# Altium PCB EASY-EAI-Nano-TB V1.01.PCBDOC (part 2 of 7) (continued)
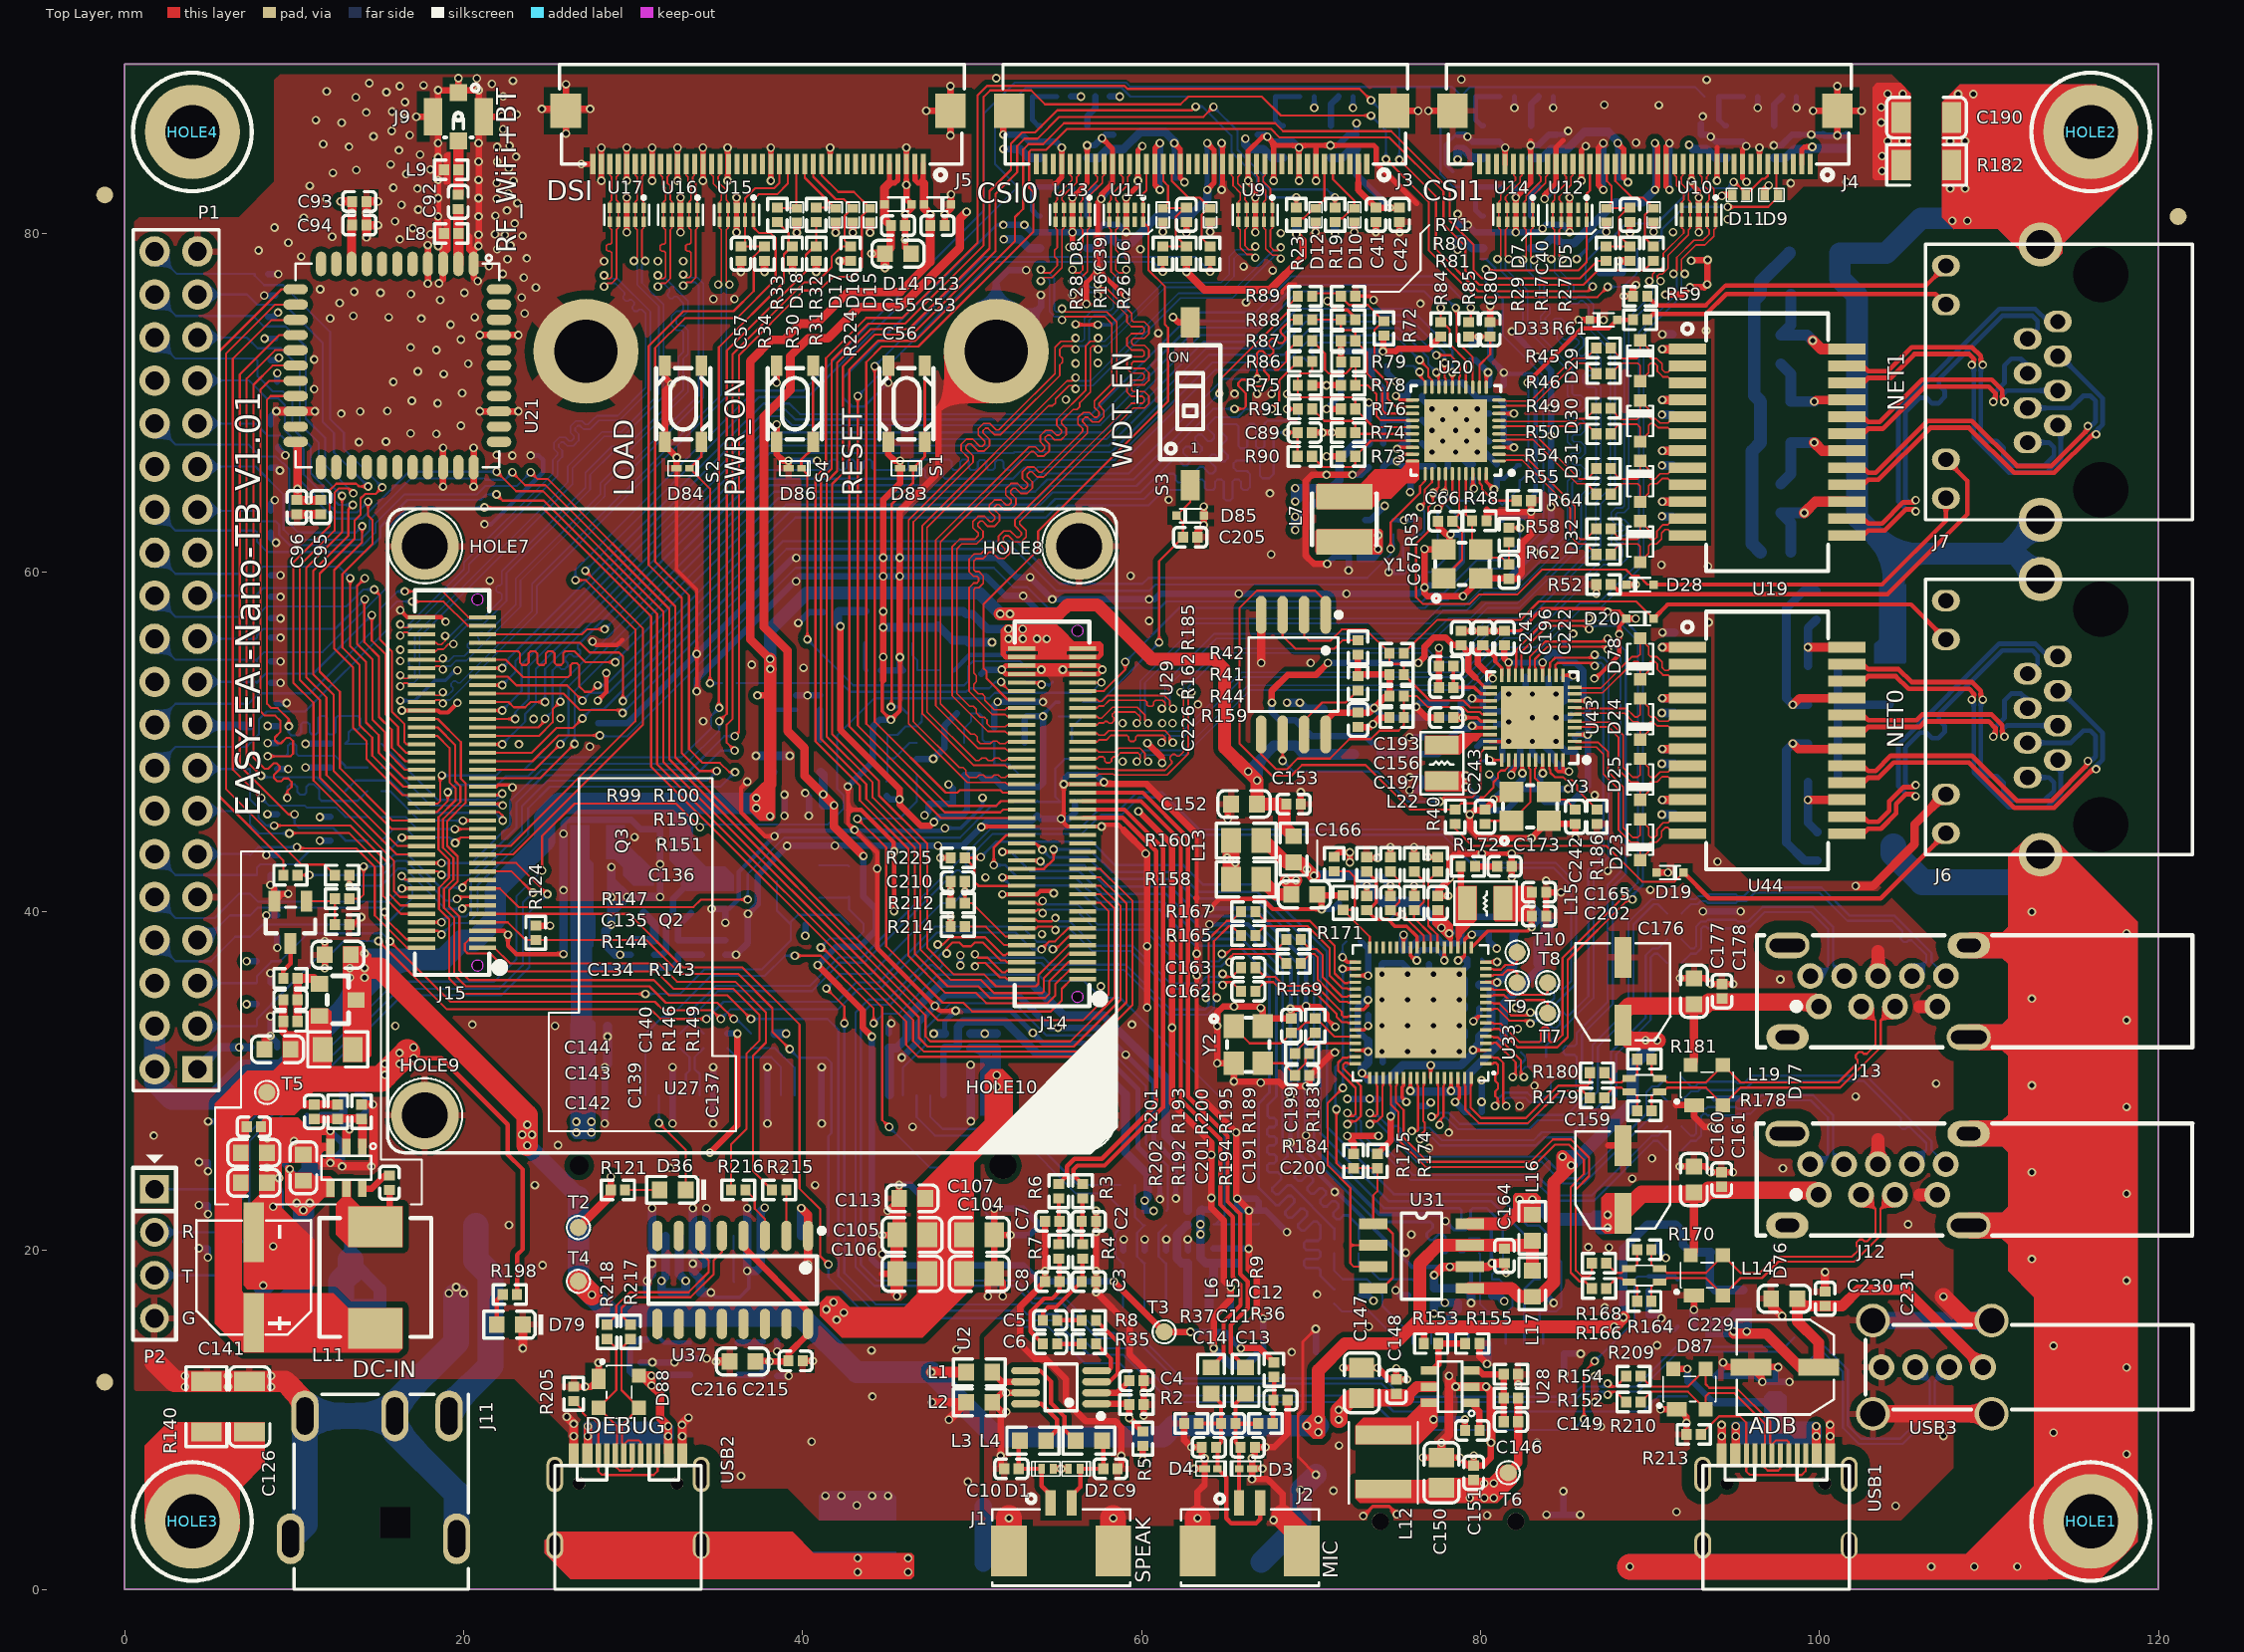
[diagram p0: Top Layer view]
## Footprints (in the part's own frame and the unit in brackets; to place one, negate y for a bottom-side part, rotate by r counter-clockwise, add the part's x,y. Pads: shape width x height; smd on the part's side, far side on the other; paste and mask are expansions set on the pad) (continued)
  round 60 hole 36: 1(0,-118.1) 2(0,-39.36) 3(0,39.38) 4(0,118.12)
  round 78.74 hole 59.06: 5(-108.27,137.79) 5(-108.27,-137.8) 5(108.27,137.79) 5(108.27,-137.8)
  silkscreen extent -98,-604 98,155
"Mou Hole-373D600H-SMD" [mm] "Diameter 3.6mm SMD nut,height 6mm"
  round 6.2 hole 3.73: 1(0,0)
  silkscreen extent -3.3,-3.3 3.3,3.3, body extent -2.79,-2.67 2.77,2.89, height 6
MSOP-8 [mm]
  oval 0.43x1.7 smd mask+0.051: 1(-0.975,-2.1) 2(-0.325,-2.1) 3(0.325,-2.1) 4(0.975,-2.1) 5(0.975,2.1) 6(0.325,2.1) 7(-0.325,2.1) 8(-0.975,2.1)
  silkscreen extent -1.85,-2.5 1.38,0.95
PAD-25/40 [mil]
  round 40 smd paste-43.31: 1(0,0)
  silkscreen extent -27,-27 27,27
QFN40P500X500X90_HS-41N [mm] "QFN, 40-Leads, Body 5.00x5.00mm, Pitch 0.40mm, Thermal Pad 3.70x3.70mm, IPC Medium Density"
  oval 0.8x0.2 smd mask+0.051: 1(-2.55,1.8) 2(-2.55,1.4) 3(-2.55,1) 4(-2.55,0.6) 5(-2.55,0.2) 6(-2.55,-0.2) 7(-2.55,-0.6) 8(-2.55,-1) 9(-2.55,-1.4) 10(-2.55,-1.8) 21(2.55,-1.8) 22(2.55,-1.4) 23(2.55,-1) 24(2.55,-0.6) 25(2.55,-0.2) 26(2.55,0.2) 27(2.55,0.6) 28(2.55,1) 29(2.55,1.4) 30(2.55,1.8)
  oval 0.2x0.8 smd mask+0.051: 11(-1.8,-2.55) 12(-1.4,-2.55) 13(-1,-2.55) 14(-0.6,-2.55) 15(-0.2,-2.55) 16(0.2,-2.55) 17(0.6,-2.55) 18(1,-2.55) 19(1.4,-2.55) 20(1.8,-2.55) 31(1.8,2.55) 32(1.4,2.55) 33(1,2.55) 34(0.6,2.55) 35(0.2,2.55) 36(-0.2,2.55) 37(-0.6,2.55) 38(-1,2.55) 39(-1.4,2.55) 40(-1.8,2.55)
  rect 3.7x3.7 smd: 41(0,0)
  silkscreen extent -3.42,-2.65 2.65,2.65, body extent -2.5,-2.5 2.5,2.5, height 0.9
QFN-40_L5.0-W5.0-P0.40-BL-EP3.7 [mm]
  rect 0.2x0.8 smd paste-100 mask+0.05: 1(-1.8,-2.499) 2(-1.4,-2.499) 3(-1,-2.499) 4(-0.6,-2.499) 5(-0.2,-2.499) 6(0.2,-2.499) 7(0.6,-2.499) 8(1,-2.499) 9(1.4,-2.499) 10(1.8,-2.499) 21(1.8,2.499) 22(1.4,2.499) 23(1,2.499) 24(0.6,2.499) 25(0.2,2.499) 26(-0.2,2.499) 27(-0.6,2.499) 28(-1,2.499) 29(-1.4,2.499) 30(-1.8,2.499)
  rect 0.8x0.2 smd paste-100 mask+0.05: 11(2.499,-1.8) 12(2.499,-1.4) 13(2.499,-1) 14(2.499,-0.6) 15(2.499,-0.2) 16(2.499,0.2) 17(2.499,0.6) 18(2.499,1) 19(2.499,1.4) 20(2.499,1.8) 31(-2.499,1.8) 32(-2.499,1.4) 33(-2.499,1) 34(-2.499,0.6) 35(-2.499,0.2) 36(-2.499,-0.2) 37(-2.499,-0.6) 38(-2.499,-1) 39(-2.499,-1.4) 40(-2.499,-1.8)
  rect 3.7x3.7 smd paste-100 mask+0.05: 41(0,0)
  silkscreen extent -2.7,-3.35 2.7,2.7
QFN-64_L8.0-W8.0-P0.40-BL-EP5.4 [mm]
  rect 0.2x0.7 smd paste-100 mask+0.05: 1(-3,-3.85) 2(-2.6,-3.85) 3(-2.2,-3.85) 4(-1.8,-3.85) 5(-1.4,-3.85) 6(-1,-3.85) 7(-0.6,-3.85) 8(-0.2,-3.85) 9(0.2,-3.85) 10(0.6,-3.85) 11(1,-3.85) 12(1.4,-3.85) 13(1.8,-3.85) 14(2.2,-3.85) 15(2.6,-3.85) 16(3,-3.85) 33(3,3.85) 34(2.6,3.85) 35(2.2,3.85) 36(1.8,3.85) 37(1.4,3.85) 38(1,3.85) 39(0.6,3.85) 40(0.2,3.85) 41(-0.2,3.85) 42(-0.6,3.85) 43(-1,3.85) 44(-1.4,3.85) 45(-1.8,3.85) 46(-2.2,3.85) 47(-2.6,3.85) 48(-3,3.85)
  rect 0.7x0.2 smd paste-100 mask+0.05: 17(3.85,-3) 18(3.85,-2.6) 19(3.85,-2.2) 20(3.85,-1.8) 21(3.85,-1.4) 22(3.85,-1) 23(3.85,-0.6) 24(3.85,-0.2) 25(3.85,0.2) 26(3.85,0.6) 27(3.85,1) 28(3.85,1.4) 29(3.85,1.8) 30(3.85,2.2) 31(3.85,2.6) 32(3.85,3) 49(-3.85,3) 50(-3.85,2.6) 51(-3.85,2.2) 52(-3.85,1.8) 53(-3.85,1.4) 54(-3.85,1) 55(-3.85,0.6) 56(-3.85,0.2) 57(-3.85,-0.2) 58(-3.85,-0.6) 59(-3.85,-1) 60(-3.85,-1.4) 61(-3.85,-1.8) 62(-3.85,-2.2) 63(-3.85,-2.6) 64(-3.85,-3)
  rect 5.35x5.35 smd paste-100 mask+0.05: 65(0,0)
  silkscreen extent -4,-4.39 4,4
RJ45/LED-1575X1626X1310 [mm]
  oval 1.27x1.651 hole 0.9: 1(3.57,-2.03) 2(2.55,-0.25) 3(1.53,-2.03) 4(0.51,-0.25) 5(-0.51,-2.03) 6(-1.53,-0.25) 7(-2.55,-2.03) 8(-3.57,-0.25) 9(-6.86,4.57) 10(-4.57,4.57) 11(4.57,4.57) 12(6.86,4.57)
  round 2.6 hole 1.7: 13(-8.125,-1.01) 14(8.125,-1.01)
  round 3.15 hole 3.25 unplated: BO1(-6.35,-4.57) BO2(6.35,-4.57)
  silkscreen extent -8.13,-9.97 8.13,5.78
SIM-SMD_SMC-202-6 [mm]
  rect 1.56x2.61 smd: 7(-8.225,5.075) 8(-8.225,-7.543) 9(8.225,-7.537) 10(8.225,5.086)
  rect 0.9x1.6 smd: C1(-5.105,7.543) C2(-2.565,7.543) C3(-0.025,7.543) C5(-6.375,7.543) C6(-3.835,7.543) C7(-1.295,7.543)
  silkscreen extent -7.86,-9.08 7.87,9.24
SMB-T_L5.4-W3.3-BI [mm]
  rect 1.8x0.9 smd: 1(1.988,0.752) 3(1.988,-0.948)
  rect 1.6x2.5 smd: 2(-2.512,-0.098)
  silkscreen extent -2.91,-1.8 3.31,1.93
SMD2012 [mm]
  rect 0.8x0.4 smd: 1(-0.901,0.399) 2(0.901,0.4) 3(0.9,-0.4) 4(-0.899,-0.4)
  silkscreen extent -0.5,-0.6 0.5,0.6
SMD,D5xL5.4mm [mm] "SMD,5x5.4mm"
  rect 2.4x1 smd: 1(0,0) 2(4,0)
  silkscreen extent -0.89,-2.79 4.83,2.79
SMD,D6.3xL7.7mm [mm]
  rect 3.5x1.2 smd mask+0.051: 1(-2.67,0) 2(2.67,0)
  silkscreen extent -3.38,-3.38 3.38,3.38
SMD-24_L15.1-W7.1-P1.00-LS10.0-BL [mm]
  rect 0.64x2.2 smd: 1(-5.5,-4.7) 2(-4.5,-4.7) 3(-3.5,-4.7) 4(-2.5,-4.7) 5(-1.5,-4.7) 6(-0.5,-4.7) 7(0.5,-4.7) 8(1.5,-4.7) 9(2.5,-4.7) 10(3.5,-4.7) 11(4.5,-4.7) 12(5.5,-4.7) 13(5.5,4.7) 14(4.5,4.7) 15(3.5,4.7) 16(2.5,4.7) 17(1.5,4.7) 18(0.5,4.7) 19(-0.5,4.7) 20(-1.5,4.7) 21(-2.5,4.7) 22(-3.5,4.7) 23(-4.5,4.7) 24(-5.5,4.7)
  silkscreen extent -7.6,-5 7.6,3.6
SMD-3225_4P [mm]
  rect 1.4x1.2 smd mask+0.051: 1(-1.1,-0.85) 2(1.1,-0.85) 3(1.1,0.85) 4(-1.1,0.85)
  silkscreen extent -1.72,-2.23 1.6,1.25, body extent -1.6,-1.25 1.7,1.25, height 0.8
SOD-323 [mil]
  rect 28x28 smd: 1(-47.5,0) 2(47.5,0)
  silkscreen extent -35,-30 35,30, body extent -51,-26 51,25, height 39
SOD-523 [mm]
  rect 0.5x0.5 smd mask+0.1: 1(-0.8,0) 2(0.8,0)
  silkscreen extent -0.6,-0.4 0.6,0.4
SOIC-8-208mil [mm]
  oval 0.63x2.25 smd: 1(-1.905,-3.53) 2(-0.635,-3.53) 3(0.635,-3.53) 4(1.905,-3.53) 5(1.905,3.53) 6(0.635,3.53) 7(-0.635,3.53) 8(-1.905,3.53)
  silkscreen extent -2.82,-3.68 2.64,2.18
SOIC-16_150mil [mm]
  oval 0.6x1.8 smd: 1(-4.445,-2.6) 2(-3.175,-2.6) 3(-1.905,-2.6) 4(-0.635,-2.6) 5(0.635,-2.6) 6(1.905,-2.6) 7(3.175,-2.6) 8(4.445,-2.6) 9(4.445,2.6) 10(3.175,2.6) 11(1.905,2.6) 12(0.635,2.6) 13(-0.635,2.6) 14(-1.905,2.6) 15(-3.175,2.6) 16(-4.445,2.6)
  silkscreen extent -5.4,-3.05 4.97,1.4, body extent -4.95,-2.97 4.95,3.03, height 1.75
SOP-8 [mil]
  rect 65x25 smd: 1(0,0) 2(0,-50) 3(0,-100) 4(0,-150) 5(224.41,-150) 6(224.41,-100) 7(224.41,-50) 8(224.41,0)
  silkscreen extent 65,-175 159,25
SOT23-6 [mm] "SOT23-6"
  rect 0.5x1 smd: 1(-0.95,-1.23) 2(0,-1.23) 3(0.95,-1.23) 4(0.95,1.23) 5(0,1.23) 6(-0.95,1.23)
  silkscreen extent -1.75,-1.44 1.47,0.71, body extent -1.24,-1.27 1.24,1.27, height 2
sot23-6 [mm] "SOT23-6"
  rect 0.5x1 smd: 1(-0.95,-1.23) 2(0,-1.23) 3(0.95,-1.23) 4(0.95,1.23) 5(0,1.23) 6(-0.95,1.23)
  silkscreen extent -1.75,-1.44 1.47,0.71, body extent -1.24,-1.27 1.24,1.27, height 2
SOT-23 [mil]
  rect 40x36 smd: 1(-42.5,37.4) 2(-42.5,-37.4) 3(42.5,0)
  silkscreen extent -25,-56 25,56, body extent -47,-57 50,58, height 39
SOT-23(SOT-23-3) [mm]
  rect 1.25x0.7 smd: 1(1.25,-0.95) 2(1.25,0.95) 3(-1.25,0)
  silkscreen extent -0.65,-1.46 0.9,1.46, body extent -1.5,-1.5 1.5,1.5, height 1.3
SOT-23-5 [mm]
  rect 1.2x0.55 smd: 1(-1.4,0.95) 2(-1.4,0) 3(-1.4,-0.95) 4(1.4,-0.95) 5(1.4,0.95)
  silkscreen extent -1.57,-1.6 0.85,1.95
SOT-23-6 [mil]
  rect 40x20 smd: 1(-55,37.4)
  oval 40x20 smd: 2(-55,0) 3(-55,-37.4) 4(55,-37.4) 5(55,0) 6(55,37.4)
  silkscreen extent -74,-57 26,67, body extent -49,-55 47,55, height 43
SOT-143 [mil]
  rect 47x33 smd mask+2: 1(-29.5,-46.9)
  rect 33x33 smd mask+2: 2(37.4,-46.9) 3(37.4,46.9) 4(-37.4,46.9)
  silkscreen extent -74,-42 61,30
SW-SMD_4P-L4.2-W3.2-P2.15-LS5.2 [mm]
  rect 0.7x1.2 smd: 1(1.075,2.25) 2(1.075,-2.25) 3(-1.075,2.25) 4(-1.075,-2.25)
  silkscreen extent -1.6,-2.1 1.6,2.1
TF [mm]
  round 1 hole 1 unplated: 0(3.341,-9.865) 0(11.341,-9.865)
  rect 0.7x1.6 smd: 1(10.541,0.635) 2(9.441,0.635) 3(8.341,0.635) 4(7.241,0.635) 5(6.141,0.635) 6(5.041,0.635) 7(3.941,0.635) 8(2.841,0.635) 9(1.741,0.635)
  rect 1.1x1.4 smd: 10(0.491,0.035)
  rect 1.2x2 smd: 11(0.541,-9.465) 12(16.041,-9.465)
  rect 1.6x1.4 smd: 13(15.141,0.135)
  silkscreen extent 0.92,-13.86 15.67,0.63, body extent 0.92,-13.86 15.67,0.64, height 2
TH-1.6-3.0-M2 [mm]
  round 4 / inner round 3.607 / far side round 4.013 hole 2.7: 1(0,0)
  silkscreen extent -2.2,-2.2 2.2,2.2
UDFN-10 [mm]
  rect 0.2x0.665 smd mask+0.051: 1(-1,-0.433) 2(-0.5,-0.433) 4(0.5,-0.433) 5(1,-0.433) 6(1,0.433) 7(0.5,0.433) 9(-0.5,0.433) 10(-1,0.433)
  rect 0.4x0.665 smd mask+0.051: 3(0,-0.433) 8(0,0.433)
  silkscreen extent -1.33,-1.12 1.33,0.58
USB3.0-A-TH_U231-091N-4BLCC14-S-5 [mil]
  round 60 hole 36 copper offset 0.01,-0.01: 1(-35.44,137.8) 4(-35.44,-137.79)
  round 60 hole 36: 2(-35.44,39.38) 3(-35.44,-39.36) 5(35.44,-157.48) 6(35.44,-78.74) 7(35.44,0) 8(35.44,78.74) 9(35.44,157.48)
  oval 60x98.42 hole 31.5 slot 55.12 at 90 deg: 10(-106.69,210.64) 10(106.69,-210.63)
  oval 60x102.36 hole 31.5 slot 82.68 at 90 deg: 10(-106.69,-210.62) 10(106.69,210.63)
  silkscreen extent -130,-730 130,281
USB-TYPE-C_16PIN-MALE-TYPE-C-31-M-12#1 [mm]
  oval 1x2.1 hole 0.6 slot 1.7 at 90 deg: 17(-4.32,1.531) 18(4.32,1.531)
  oval 1x1.6 hole 0.6 slot 1.2 at 90 deg: 19(-4.32,-2.649)
  oval 1x1.6 hole 0.6 slot 1.4 at 90 deg: 20(4.32,-2.649)
  rect 0.3x1.4 smd: A1(-3.35,2.649) A4(-2.55,2.649) A5(-1.25,2.649) A6(-0.25,2.649) A8(1.25,2.649) A9(2.55,2.649) A12(3.35,2.649) B1(3.05,2.649) B4(2.25,2.649) B5(1.75,2.649) B6(0.75,2.649) B7(-0.75,2.649) B8(-1.75,2.649) B9(-2.25,2.649) B12(-3.05,2.649)
  rect 0.3x1.4 smd mask+0.102: A7(0.25,2.649)
  round 0.75 hole 0.75 unplated: ""(-2.89,1.001) ""(2.89,1.001)
  silkscreen extent -4.32,-5.25 4.32,2.05
USB-TYPE-C_16PIN-MALE-TYPE-C-31-M-12#2 [mm]
  oval 1x2.1 hole 0.6 slot 1.7 at 90 deg: 17(-4.32,1.531) 18(4.32,1.531)
  oval 1x1.6 hole 0.6 slot 1.2 at 90 deg: 19(-4.32,-2.649)
  oval 1x1.6 hole 0.6 slot 1.4 at 90 deg: 20(4.32,-2.649)
  rect 0.3x1.4 smd: A1(-3.35,2.649) A4(-2.55,2.649) A5(-1.25,2.649) A6(-0.25,2.649) A7(0.25,2.649) A8(1.25,2.649) A9(2.55,2.649) A12(3.35,2.649) B1(3.05,2.649) B4(2.25,2.649) B5(1.75,2.649) B6(0.75,2.649) B7(-0.75,2.649) B8(-1.75,2.649) B9(-2.25,2.649) B12(-3.05,2.649)
  round 0.75 hole 0.75 unplated: ""(-2.89,1.001) ""(2.89,1.001)
  silkscreen extent -4.32,-5.25 4.32,2.05

## Part data
C1 C72 C126 C190 C262: library part "1206 1nF ±10% 2kV", "SPZL000332"
C2 C3 C7 C8 C173: library part "0402 2.2nF ±10% 50V", "SPZL000399"
C4 C15 C17 C23 C25 C31 C33 C74 C102 C156 C201 C213 C217 C218 C219 C220 C224: library part "0402 1uF ±10% 25V", "SPZL000337"
C5 C6 C19 C20 C21 C22 C27 C28 C29 C30 C35 C36 C37 C38 C39 C40 C42 C44 C46 C48 C50 C52 C53 C55 C57 C59 C60 C61 C62 C63 C64 C65 C68 C69 C71 C75 C78 C79 C80 C82 C83 C85 C86 C87 C88 C91 C94 C96 C97 C98 C100 C103 C110 C112 C116 C117 C118 C119 C131 C135 C137 C144 C145 C146 C148 C151 C153 C155 C157 C158 C161 C162 C163 C164 C167 C168 C169 C170 C171 C172 C174 C175 C178 C179 C180 C181 C184 C185 C186 C187 C188 C189 C191 C193 C194 C195 C196 C197 C198 C202 C209 C210 C212 C215 C221 C222 C223 C226 C227 C231 C240 C241 C244 C245 C246 C258 C259 C260 C261: library part "0402 100nF ±10% 16V", "SPZL000259"
C9 C10: library part "0402 680pF ±5% 50V", "SPZL000317"
C11 C140 C149: library part "0402 100pF ±10% 50V", "SPZL000312"
C12 C41 C43 C45 C47 C49 C51 C90 C93 C99 C114 C115 C165 C211: library part "0402 10uF ±20% 6.3V", "SPZL000269"
C13 C14 C92: library part "0402 220pF ±5% 50V", "SPZL000318"
C16 C18 C24 C26 C32 C34 C73 C77 C81 C84 C95 C132: library part "0402 4.7uF ±20% 10V", "SPZL000339"
C54 C56 C58 C101 C134 C154 C160 C166 C177 C182 C183 C216: library part "0603 10uF ±10% 10V", "SPZL000260"
C66 C67 C199 C200 C242 C243: library part "0402 20pF ±5% 50V", "SPZL000398"
C70 C76 C89: library part "0402 2.0pF (2R0) 0.25pF 50V", "贴片电容"
C104 C105 C106 C107: library part "0805 47uF ±20% 10V", "SPZL001333"
C108 C109 C113 C136 C142 C143 C152 C192 C207 C208 C225 C228 C230 C239: library part "0603 22uF ±20% 10V", "SPZL000315"
C111: library part "0402 47pF ±5% 50V", "SPZL000882"
C120 C122 C125 C130 C133 C214: library part "0402 10nF ±10% 50V", "SPZL000342"
C121 C123 C124: library part "0402 100nF ±10% 50V", "SPZL001162"
C127 C139: library part "0603 100nF ±10% 50V", "SPZL000386"
C128 C129 C150: library part "0805 22uF ±20% 25V", "SPZL000267"
C138 C147: library part "0805 10uF ±10% 25V", "SPZL000262"
C141: library part "电解电容 100uF ±20% 25V", "SPZL000519"
C159 C176 C229: library part "电解电容 100uF ±20% 10V", "SPZL000265"
C203 C204 C205 C206: library part "0402 1nF ±10% 50V", "SPZL000264"
D1 D2: library part "TVS ESD5341N-2/TR", "SPZL000253"
D3 D4 D37 D38 D39 D40 D41 D83 D84 D86: library part "TVS ESD5471X-2/TR", "SPZL000254"
D5 D6 D7 D8 D9 D10 D11 D12 D15 D16 D17 D18 D48 D49 D54 D59 D60 D61 D62 D63 D64 D65 D66 D67 D68 D72 D74 D75: "SPZL001147"
D13 D14 D44 D45 D46 D47 D50 D51 D52 D53 D55 D56 D57 D58 D69 D70 D71 D73 D81 D82 D85 D89: "SPZL001155"
D19 D20 D28 D33: library part "ESD BV-D505ZC", "SPZL000613"
D21 D22 D26 D27: library part "放电管 BS4200N-2C", "SPZL000612"
D23 D24 D25 D29 D30 D31 D32 D78: library part "ESD BV03C-H", "SPZL000614"
D34 D35: library part "ESD BV-SRV05-4", "SPZL000615"
D36 D79: "SPZL000214"
D42: library part SS32, "SPZL000094"
D43: library part "TVS BV-SMBT-20CA", "SPZL000611"
D76 D77 D87 D88: library part "TVS BV-SR05", "SPZL000616"
F1: library part "自恢复保险丝 JK-SMD200L-24V", "SPZL000105"
HOLE5 HOLE6: library part "螺柱 SMTSO-M2-6ET", "SPZL000166"
HOLE7 HOLE8 HOLE9 HOLE10: "SPZL000886"
J1 J2: "SPZL000112"
J3 J4 J5: "SPZL000107"
J6 J7: library part "RJ45- 带LED灯 短体 不带弹片", "SPZL000140"
J8: library part "TF卡座 自弹式", "SPZL000144"
J9: library part 1代IPEX内针四脚天线座, "SPZL001156"
J10: "SPZL000136"
J11: library part "DC座子 11.6mm*10.1mm THT", "SPZL000133"
J12 J13: library part "USB3.0 Type-A 侧插 单层", "SPZL001065"
J14 J15: "SPZL000772"
L1 L2 L5 L6: "SPZL000842"
L3 L4: "SPZL000054"
L7: library part "2.2uH ±30% 1.6A", "SPZL000721"
L8 L9: library part "600Ω ±25% @100MHz 200mA", "SPZL000058"
L10: library part "1uH ±20% 4.6A", "SPZL000872"
L11: library part "4.7uH ±20% 6A", "SPZL001133"
L12: library part "3.3uH ±20% 3.3A", "SPZL000206"
L13 L16 L17 L18: library part "100Ω ±25% @100MHz 3A", "SPZL000753"
L14 L19: library part "共模电感 PCMF212L900MFR", "SPZL001149"
L15 L22: library part "2.2uH ±20% 2.04A", "SPZL000205"
L20 L21: library part "120Ω ±25% @100MHz 3A", "SPZL000842"
P1: library part "排针 H6mm 2.54mm 2x20P 立式", "SPZL000147"
P2: library part "2.54-4T 直插", "SPZL000220"
Q1: library part "NPN SS8050 Y1"
Q2: library part "P沟道 AO3401", "SPZL000800"
Q3: library part "NPN SS8050 Y1", "SPZL000089"
R1 R140 R182: library part "1206 1.2MΩ ±1%", "SPZL000388"
R2 R126 R129 R136 R144 R174 R201 R202 R225: library part "0402 100kΩ ±1%", "SPZL000282"
R3 R5 R6 R14 R15 R123 R198: library part "0402 1kΩ ±1%", "SPZL000275"
R4 R7 R48 R53 R61 R77 R82 R85 R117 R122 R161 R163 R165 R167 R169 R171 R176 R177 R183: library part "0402 0Ω ±1%", "SPZL000276"
R8 R35 R132 R149 R154 R196: library part "0402 30kΩ ±1%", "SPZL000323"
R9 R98 R204 R206 R208: library part "0402 100Ω ±1%", "SPZL000281"
R10 R11 R148: library part "0402 51kΩ ±1%", "SPZL000788"
R12 R13 R16 R17 R38 R41 R43 R44 R131 R134 R135 R138 R141 R142 R147 R150 R153 R155 R159 R162 R173 R175 R185 R189 R193 R194 R195 R203 R211 R214: library part "0402 10kΩ ±1%", "SPZL000271"
R18 R20 R22 R24 R30 R31 R156 R157 R224: library part "0402 2.2kΩ ±1%", "SPZL000307"
R19 R21 R23 R25 R26 R27 R28 R29 R32 R33 R57 R86 R87 R88 R89 R90 R91 R92 R93 R94 R95 R96 R97 R111 R112 R113 R118 R119 R120 R137 R207 R215 R216 R219 R222 R223: library part "0402 22Ω ±1%", "SPZL000279"
R34 R65 R66 R67 R68 R69 R70 R71 R72 R73 R74 R75 R76 R78 R79 R80 R81 R83 R104 R108 R109 R110 R124 R128 R133 R190: library part "0402 4.7kΩ ±1%", "SPZL000280"
R36 R37: library part "0402 1.1kΩ ±1%", "SPZL000324"
R39 R143 R158 R160: library part "0805 0Ω ±1%", "SPZL000350"
R40 R42 R52 R59: library part "0402 510Ω ±1%", "SPZL000335"
R45 R46 R49 R50 R54 R55 R58 R62 R164 R166 R168 R170 R172 R178 R179 R180 R181 R191 R209 R210 R217 R218 R220: library part "0402 2.2Ω ±1%", "SPZL000327"
R47 R51 R56 R63 R187 R188 R226 R227: library part "0805 75Ω ±1%", "SPZL000353"
R60: library part "0402 120Ω (1200) 1%", "贴片电阻"
R64 R186: library part "0402 2.49kΩ ±1%", "SPZL000354"
R84: library part "0402 1.8kΩ ±1%", "SPZL000899"
R99 R100 R101 R102 R103 R105 R106 R107: library part "0402 33Ω ±1%", "SPZL000302"
R114: library part "0402 2kΩ ±1%", "SPZL000278"
R115 R116: library part "0402 2kΩ ±1%"
R121: library part "0402 470Ω ±1%", "SPZL000329"
R125: library part "0402 1.2kΩ ±1%", "SPZL000328"
R127: library part "0402 0Ω ±1%"
R130 R152: library part "0402 137kΩ ±1%", "SPZL000322"
R139: library part "0402 56kΩ ±1%", "SPZL000395"
R145: library part "0402 300kΩ ±1%", "SPZL000393"
R146: library part "0402 220kΩ ±1%", "SPZL000877"
R151: library part "0402 47kΩ ±1%", "SPZL000348"
R184: library part "0402 1MΩ ±1%", "SPZL000301"
R192 R205 R213: library part "0402 5.1kΩ ±1%", "SPZL000270"
R197: library part "0402 20kΩ ±1%", "SPZL000349"
R200: library part "0402 39kΩ ±1%", "SPZL001271"
R212: library part "0402 15kΩ ±1%", "SPZL000330"
S1 S2 S4: library part "轻触开关 3.2X4.2X2.5mm", "SPZL000455"
S3: library part "拨码开关 1P P=2.54mm", "SPZL000149"
U2: "SPZL000086"
U3 U4: "SPZL000631"
U5 U6 U26: "SPZL000630"
U7 U8: "SPZL000632"
U9 U10 U11 U12 U13 U14 U15 U16 U17: "SPZL001146"
U18 U36: "SPZL000784"
U19 U44: library part "网络变压器 G2401CE", "SPZL000720"
U20: "SPZL000719"
U21: "SPZL001091"
U22: "SPZL000040"
U23: "SPZL001068"
U24: "SPZL000751"
U25: "SPZL000608"
U27: "SPZL001130"
U28: "SPZL000041"
U29: "SPZL001045"
U30 U32: "SPZL000610"
U31: "SPZL001272"
U33: "SPZL001270"
U34: "SPZL000043"
U37: "SPZL000072"
U43: "SPZL001044"
USB1 USB2: "SPZL000132"
USB3: library part "USB2.0 Type-A 侧插 单层", "SPZL001070"
Y1 Y2 Y3: library part "25MHZ 20PF 10PPM", "SPZL000475"

## Free pads (board coordinates)
  round 1 smd paste-1.016 mask+0.5: 0(-1.168,12.227) 0(-1.168,82.28) 0(121.158,81.01)
  round 1 smd far side paste-1.016 mask+0.5: 0(-1.168,14.427) 0(-1.168,84.48) 0(121.158,83.21)

## Via types
v1: diameter 0.508, hole 0.305, Top Layer to Bottom Layer, tented both sides, 1430 vias

## Nets (pads, with @x,y where several pads share a name; then routed paths per layer and width w, separated by ;. In a path a pad name is that pad's centre, name@x,y a point inside that pad or via, vN(x,y) a via of type N, cw(c..) or ccw(c..) an arc to the next point about the centre after c; other vN are vias at no path point)
4G_PERST#/: J10.22 R123.1 R125.2 | length 4.7
  Bottom Layer w0.127: R123.1@36.967,31.942 R125.2@38.364,31.942 39.529,30.777 J10.22@39.529,29.153
4G_WAKEUP_OUT/: J10.1 Q1.2 R116.1 R118.2 | length 29.5
  Top Layer w0.127: v1(41.072,37.871) 41.168,37.871 44.704,34.336 44.704,27.686 v1(45.11,27.28)
  Bottom Layer w0.127: Q1.2@40.991,40.815 42.684,40.815 R116.1@42.745,40.876 42.745,40.119 43.595,39.269 R118.2@43.595,39.225 43.595,38.8 43.191,38.396 41.597,38.396 v1(41.072,37.871) ; v1(45.11,27.28) 47.498,24.892 49.403,24.892 50.8,23.495 50.8,22.225 51.129,21.896 J10.1@51.129,20.853
#CC1: R213.2 USB1.A5 USB1.A8 USB1.B5 USB1.B8 | length 13
  Top Layer w0.127: R213.2@93.008,9.144 94.075,10.211 95.299,10.211 95.682,9.828 95.682,8.878 ; USB1.B8@95.682,7.898 95.682,6.957 95.881,6.758 96.182,6.758 ; 98.679,6.746 98.682,6.749 USB1.A8@98.682,7.898
  Top Layer w0.13: USB1.B8@95.682,7.898 95.682,8.878 ; USB1.A5@96.182,7.898 96.182,6.758 96.193,6.746 98.679,6.746 98.951,6.746 99.182,6.977 USB1.B5@99.182,7.898
#CC2: R205.2 USB2.A5 USB2.A8 USB2.B5 USB2.B8 | length 11.8
  Top Layer w0.127: R205.2@26.497,11.107 27.031,10.573 27.031,10.423 27.383,10.072 27.658,10.072 27.953,9.776 USB2.B8@27.954,7.898 27.954,6.957 28.153,6.758 28.454,6.758 ; 30.951,6.746 30.953,6.749 USB2.A8@30.953,7.898
  Top Layer w0.13: USB2.A5@28.454,7.898 28.454,6.758 28.465,6.746 30.951,6.746 31.223,6.746 31.454,6.977 USB2.B5@31.454,7.898
AGND: C2.2 C3.2 C4.1 C7.1 C8.1 C9.1 C10.1 C12.1 C13.1 C14.1 D1.2 D2.2 D3.2 D4.2 J1.3 J1.4 J2.3 J2.4 L2.2 R2.1 R37.1 U2.7 | length 68.4
  Top Layer w0.381: C10.1@51.899,7.112 51.689,7.322 v1(51.689,7.88) 51.689,10.139 v1(52.017,10.467) 51.763,10.467 L2.2@51.199,11.031 51.763,11.595 v1(52.017,11.595) U2.7@53.155,11.595 ; C7.1@54.312,21.717 54.312,21.101 v1(54.312,18.777) C8.1@54.312,18.161 52.84,16.689 52.84,14.47 53.721,13.589 54.356,13.589 55.546,12.399 55.546,11.098 56.738,9.906 58.461,9.906 58.801,9.566 58.801,7.322 C9.1@58.591,7.112 ; D1.2@54.802,7.112 v1(55.245,7.112) D2.2@55.688,7.112 ; v1(57.321,22.333) C2.2@57.321,21.717 v1(57.321,21.101) v1(57.321,18.777) C3.2@57.321,18.161 v1(57.321,17.545) 59.309,15.557 59.309,13.843 60.125,13.027 C4.1@60.125,12.301 v1(60.125,11.62) R2.1@60.125,10.904 v1(60.125,10.25) ; R37.1@62.516,9.779 62.516,8.809 v1(62.939,8.387) C14.1@63.555,8.387 63.555,7.904 v1(63.726,7.733) D4.2@63.726,7.117 ; v1(63.11,7.117) D4.2@63.726,7.117 ; v1(63.308,4.197) 63.308,5.752 63.726,6.17 D4.2@63.726,7.117 ; v1(67.136,7.117) D3.2@66.52,7.117 ; v1(67.79,4.088) J2.4@69.458,2.42 ; 68.311,4.351 68.311,5.629 67.439,6.501 v1(66.52,6.501) D3.2@66.52,7.117 ; C12.1@68.624,11.176 68.624,9.188 67.823,8.387 v1(67.307,8.387) C13.1@66.691,8.387 66.691,7.904 v1(66.52,7.733) D3.2@66.52,7.117
  Top Layer w1.27: 68.311,4.351 69.458,3.203 69.458,2.42 J2.4@69.458,2.25
  Top Layer w1.524: J1.3@52.18,2.25 v1(52.18,4.197) ; J1.4@58.33,2.25 v1(58.33,4.197) ; J2.3@63.308,2.25 v1(63.308,4.197)
  other v1: 58.801,7.88
AVDD33: C166.1 C167.1 C168.1 C169.1 C170.1 C171.1 C172.1 R158.2 R173.1 R174.1 R189.2 R194.2 R201.1 U33.8 U33.21 U33.26 U33.35 U33.43 U33.54 U33.62 | length 25.3
  Top Layer w0.203: U33.43@72.614,33.018 73.133,33.018 v1(73.371,33.256) ; U33.35@72.614,36.218 v1(73.371,36.218) ; U33.54@75.464,30.168 75.464,29.719 75.381,29.636 75.381,29.005 v1(75.626,28.76) ; U33.26@75.864,37.868 75.864,37.387 76.141,37.111 v1(76.245,37.111) ; v1(77.864,37.111) U33.21@77.864,37.868 ; v1(78.502,28.76) 78.747,29.005 78.747,29.611 78.664,29.694 U33.62@78.664,30.168 ; v1@79.557,33.518 v1(79.582,33.518) 79.882,33.818 U33.8@80.314,33.818
  Top Layer w0.305: R194.2@76.083,40.92 v1(76.083,41.511) ; v1(76.889,43.206) R189.2@77.48,43.206
  Top Layer w0.381: R201.1@71.374,43.224 71.635,43.485 v1(72.288,43.485) v1(72.288,42.901) ; R174.1@73.914,25.698 74.695,26.479 v1(74.695,27.917)
  Top Layer w0.762: R158.2@67.067,41.892 67.956,41.003 C166.1@68.836,41.003 68.836,41.527 68.733,41.63 ; v1(68.529,41.834) 68.733,41.63 ; v1(69.113,41.834) 68.91,41.63 68.733,41.63
  Bottom Layer w0.305: v1(76.245,37.111) 76.245,37.465 76.526,37.745 C167.1@76.972,37.745 77.455,37.745 77.864,37.336 v1(77.864,37.111)
  Bottom Layer w0.381: R173.1@72.942,38.227 73.372,37.797 C171.1@73.372,36.939 73.372,36.219 v1(73.371,36.218) ; v1(73.371,33.256) 73.372,33.257 C168.1@73.372,33.891 ; v1(74.695,27.917) 74.857,28.079 C170.1@74.857,28.938 75.448,28.938 v1(75.626,28.76) ; v1(78.502,28.76) 79.086,28.176 C169.1@79.214,28.176 ; v1(79.582,33.518) 79.937,33.873 C172.1@79.937,34.272
BT_RST: J15.15 R137.1 | length 34.4
  Top Layer w0.127: J15.15@21.124,41.36 22.135,41.359 23.235,40.259 33.572,40.259 34.012,40.699 v1(36.767,40.699)
  Bottom Layer w0.127: v1(36.767,40.699) 36.767,42.202 38.919,44.355 49.281,44.355 51.122,46.196 51.385,46.196 R137.1@51.645,46.457
BT_WAKE: J15.17 R150.1 | length 11
  Top Layer w0.127: R150.1@13.262,40.749 13.857,40.749 14.107,40.999 v1(14.107,42.654) ; v1(19.939,41.402) 19.939,41.537 20.261,41.859 J15.17@21.124,41.859
  Bottom Layer w0.127: v1(14.107,42.654) 15.201,42.654 15.892,43.345 16.714,43.345 18.658,41.402 v1(19.939,41.402)
BT_WAKE_HOST: J15.9 R2.2 R5.1 U2.1 | length 63.6
  Top Layer w0.127: J15.9@21.124,39.859 29.778,39.859 32.934,36.703 36.449,36.703 39.827,33.325 39.827,23.647 41.046,22.428 41.046,19.66 v1(41.529,19.177)
  Top Layer w0.381: U2.1@57.355,10.945 59.234,10.945 R2.2@59.275,10.904 v1(59.275,10.111) R5.1@60.071,9.315
  Bottom Layer w0.127: v1(41.529,19.177) 41.529,18.415 43.942,16.002 52.451,16.002 52.959,15.494 54.483,15.494 56.642,13.335 58.716,13.335 59.275,12.776 v1(59.275,10.111)
CAN0_RXD_M1: D57.2 J15.77 P1.16 | length 25.1
  Top Layer w0.127: v1(16.976,58.285) 18.822,58.285 20.247,56.859 J15.77@21.124,56.859
  Bottom Layer w0.127: P1.16@1.77,48.47 3.014,49.714 7.194,49.714 D57.2@7.41,49.93 7.925,50.445 7.925,51.325 8.403,51.804 10.655,51.804 15.518,56.667 15.518,57.728 16.074,58.285 v1(16.976,58.285)
CAN0_TXD_M1: D58.2 J15.79 P1.18 | length 23.7
  Top Layer w0.127: v1(16.533,58.886) 18.753,58.886 20.28,57.359 J15.79@21.124,57.359
  Bottom Layer w0.127: P1.18@1.77,51.01 3.014,52.254 7.321,52.254 D58.2@7.366,52.298 7.94,52.873 10.957,52.873 15.093,57.009 15.093,57.863 16.116,58.886 v1(16.533,58.886)
CH340_N: R218.2 U37.6 | length 9.9
  Top Layer w0.13: R218.2@28.465,15.616 29.011,16.162 29.011,16.726 29.817,17.533 33.271,17.533 34.457,18.718 34.457,19.41 33.974,19.893 U37.6@33.974,20.857
CH340_P: R217.2 U37.5 | length 9.9
  Top Layer w0.13: R217.2@29.862,15.616 29.316,16.162 29.316,16.6 29.944,17.228 33.398,17.228 34.761,18.591 34.761,19.41 35.244,19.893 U37.5@35.244,20.857